# Altium PCB OTPCB.PcbDoc (part 3 of 3)
Units mm, origin at the board's own origin, x right, y up, seen from the top; angles counter-clockwise.
Board outline 201.69 x 98.36 mm, 4 copper layers (Top Layer, Layer 1, Layer 2, Bottom Layer), stack 1.546 mm thick; 269 components, 220 nets, 1102 pads, 262 vias.
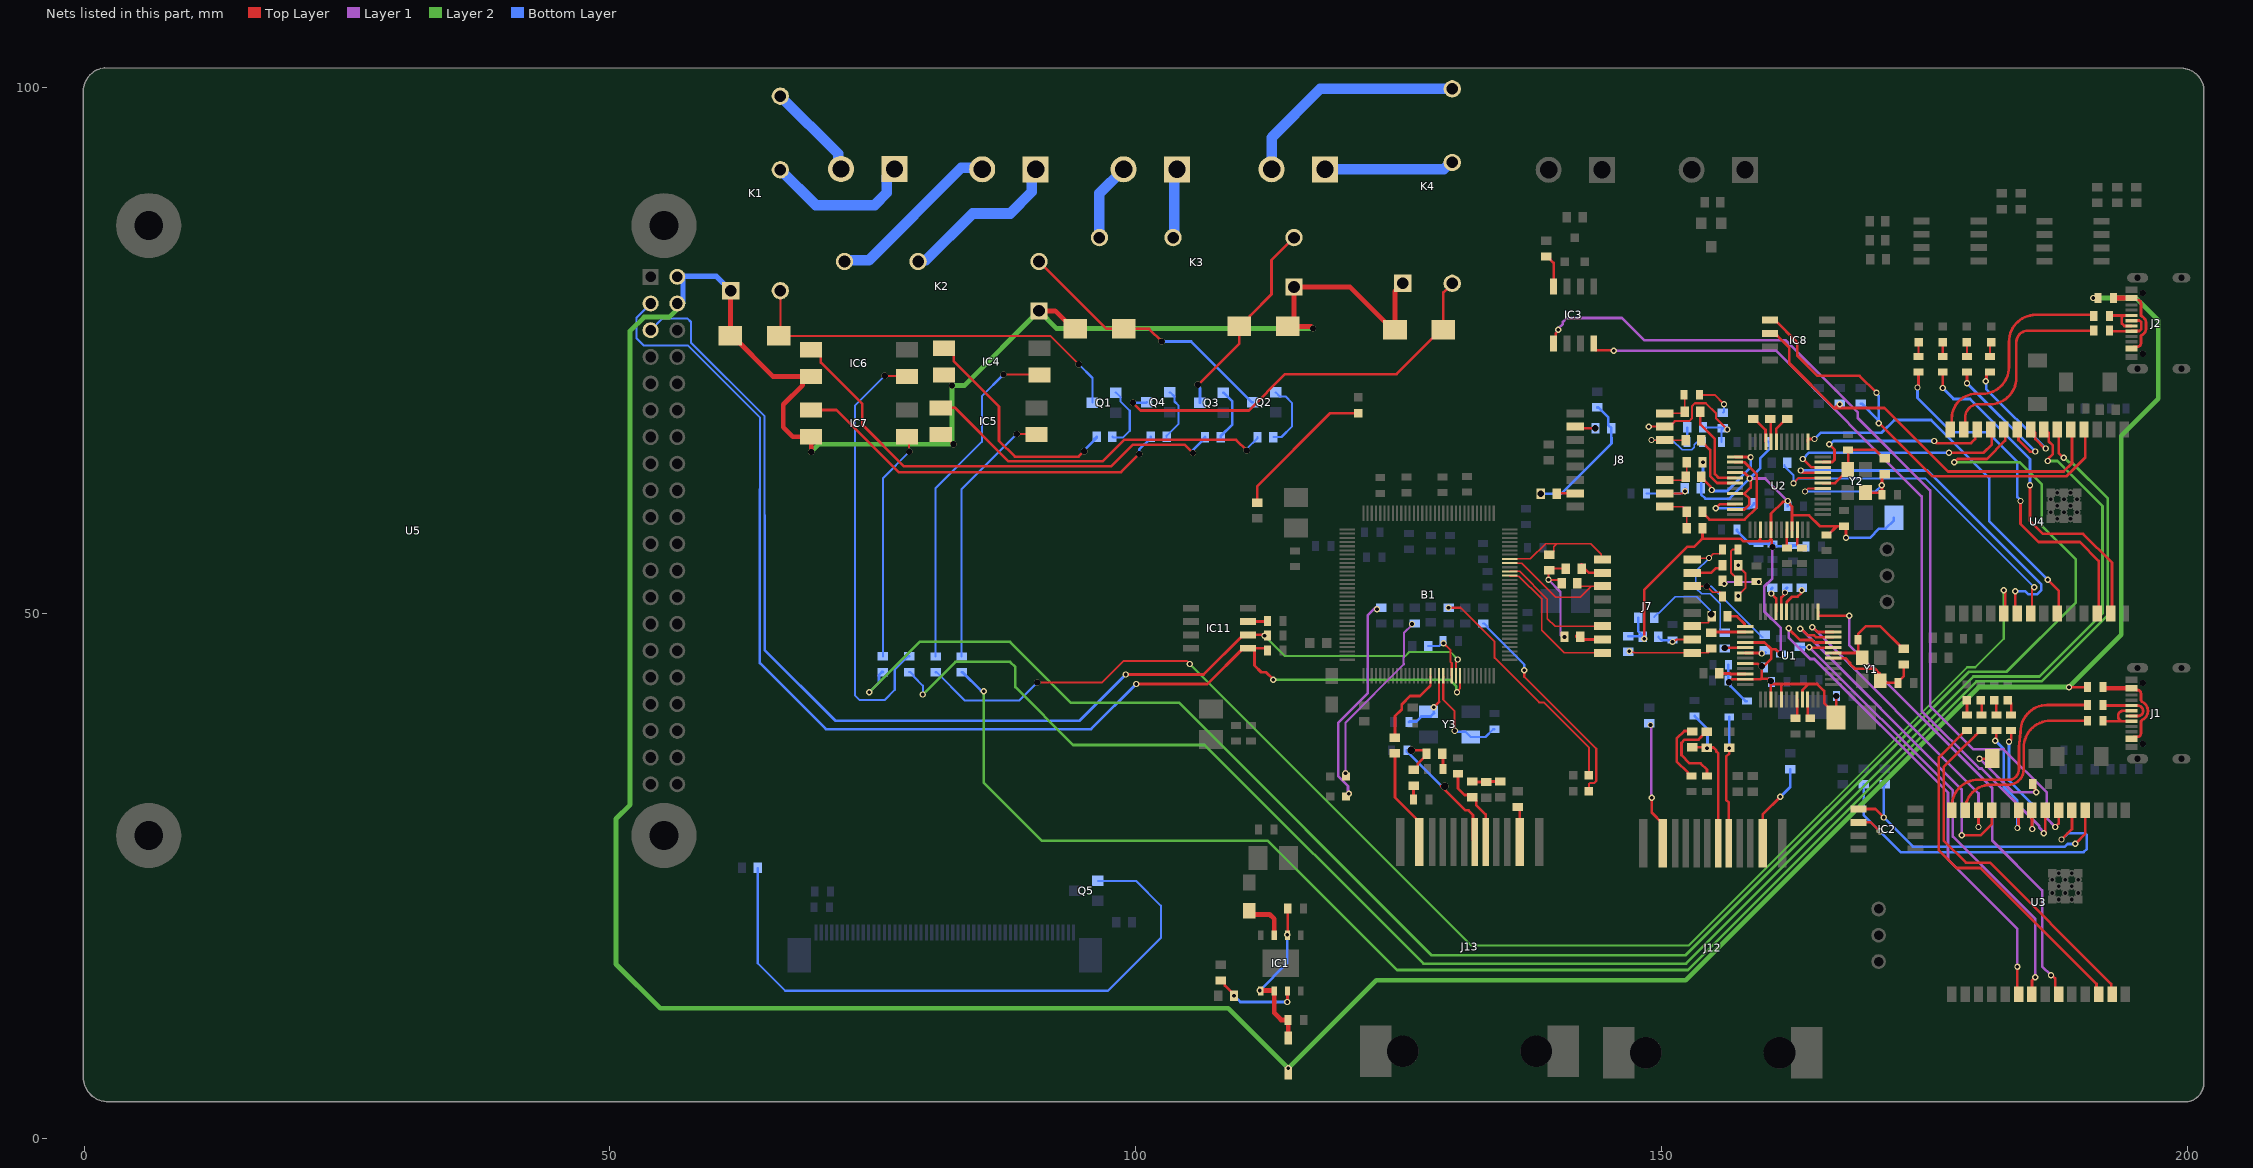
[diagram p5: the nets of this part, all layers, seen from the top]

## Via types
v1: diameter 0.6, hole 0.35, Top Layer to Bottom Layer, 191 vias
v2: diameter 0.6, hole 0.6, Top Layer to Bottom Layer, 62 vias
v3: diameter 0.711, hole 0.711, Top Layer to Bottom Layer, 6 vias
v4: diameter 0.6, hole 0.4, Top Layer to Bottom Layer, 3 vias

## Nets (pads, with @x,y where several pads share a name; then routed paths per layer and width w, separated by ;. In a path a pad name is that pad's centre, name@x,y a point inside that pad or via, vN(x,y) a via of type N, cw(c..) or ccw(c..) an arc to the next point about the centre after c; other vN are vias at no path point) (continued)
NetB1_81: B1.81 R68.2 | length 7.8
  Top Layer w0.2: 128.039,43.111 128.066,43.138 B1.81@128.066,44.028
  Top Layer w0.254: R68.2@124.666,38.166 124.666,40.204 125.325,40.862 125.325,41.337 126.113,42.125 127.05,42.125 127.889,42.964 127.902,42.964 128.039,43.102 128.039,43.111
NetB1_83: B1.83 C61.1 Y3.1 | length 6.4
  Top Layer w0.2: 128.866,41.566 B1.83@128.866,44.028
  Top Layer w0.254: v1(128.366,41.066) 128.866,41.566
  Bottom Layer w0.254: C61.1@126.005,39.65 126.056,39.701 126.706,39.701 127.173,40.168 128.068,40.168 Y3.1@128.394,40.494 ; Y3.1@128.346,40.541 128.366,40.561 v1(128.366,41.066)
NetB1_84: B1.84 C59.1 Y3.3 | length 10
  Top Layer w0.2: B1.84@129.266,44.028 129.266,41.77 130.35,40.687 v4(130.35,38.825)
  Bottom Layer w0.2: v4(130.35,38.825) 130.458,38.825 130.558,38.725 131.375,38.725 Y3.3@131.875,38.225 133.28,38.225 134.015,38.96 C59.1@134.15,38.96
NetB1_86: B1.86 C72.1 R108.2 | length 5
  Top Layer w0.2: v1(129.28,47.153) 129.966,46.466 129.966,45.347 130.066,45.247 B1.86@130.066,44.028
  Bottom Layer w0.2: R108.2@127.816,46.866 128.861,46.866 129.148,47.153 v1(129.28,47.153)
NetB1_87: B1.87 IC11.6 R94.1 U5.5 | length 113.8
  Top Layer w0.2: B1.87@130.466,44.028 130.466,45.281 130.641,45.456 v1(130.641,45.591)
  Top Layer w0.254: v1(99.066,44.166) 106.476,44.166 110.241,47.931 IC11.6@110.678,47.931 112.461,47.931 R94.1@112.526,47.866
  Layer 2 w0.2: v1(112.266,47.866) 114.216,45.916 125.654,45.916 126.058,46.32 129.913,46.32 v1(130.641,45.591)
  Bottom Layer w0.2: U5.5@53.877,76.91 55.007,78.04 57.363,78.04 57.716,77.686 57.716,75.731 64.72,68.727 64.72,59.32
  Bottom Layer w0.254: 64.72,59.32 64.72,46.512 71.466,39.766 94.666,39.766 v1(99.066,44.166)
NetB1_88: B1.88 IC11.5 R97.1 U5.3 | length 120.2
  Top Layer w0.2: v1(130.575,42.475) 130.575,42.583 130.866,42.874 B1.88@130.866,44.028
  Top Layer w0.254: v1(100.066,43.266) 106.846,43.266 110.241,46.661 IC11.5@110.678,46.661 IC11.5@111.116,46.661 ; R97.1@112.526,46.466 112.331,46.661 IC11.5@111.116,46.661 ; v1(113.1,43.675) 112.395,44.38 111.953,44.38 111.314,45.019 111.314,46.463 IC11.5@111.116,46.661
  Layer 2 w0.254: v1(113.1,43.675) 129.858,43.675 130.509,43.024 130.509,42.541 v1(130.575,42.475)
  Bottom Layer w0.2: U5.3@53.877,79.45 52.539,78.112 52.539,76.141 53.206,75.474 55.341,75.474 55.342,75.472 57.41,75.472 64.266,68.616 64.266,67.958 64.266,61.766
  Bottom Layer w0.254: 64.266,61.766 64.266,45.266 70.566,38.966 95.766,38.966 v1(100.066,43.266)
NetB1_117: B1.117 J7.16 | length 13.6
  Top Layer w0.133: B1.117@135.604,53.566 135.638,53.533 136.452,53.533 138.618,51.367 138.618,48.388 140.784,46.221 J7.16@144.401,46.221
NetB1_118: B1.118 J7.14 | length 12
  Top Layer w0.133: B1.118@135.604,53.966 136.541,53.966 139.166,51.341 139.166,49.491 139.896,48.761 J7.14@144.401,48.761
NetB1_120: B1.120 J7.11 R57.2 | length 12
  Top Layer w0.133: B1.120@135.604,54.766 136.716,54.766 139.966,51.516 142.291,51.516 143.346,52.571 ; R57.2@142.016,52.866 142.311,52.571 J7.11@144.401,52.571
NetB1_121: B1.121 J7.9 R58.1 | length 11.7
  Top Layer w0.133: B1.121@135.604,55.166 137.541,55.166 138.991,56.616 140.066,56.616 ; R58.1@139.341,55.566 139.441,55.566 139.775,55.9 139.775,56.325 140.066,56.616 ; J7.9@144.401,55.111 144.295,55.218 144.295,55.613 143.291,56.616 140.066,56.616
NetC1_2: C1.2 C2.2 D1.C IC1.1 IC1.2 IC1.6 | length 15.7
  Top Layer w0.254: IC1.6@114.461,19.464 114.461,21.904 C2.2@114.474,21.916
  Top Layer w0.454: v1(111.814,14.116) 113.151,14.116 113.179,14.088 IC1.2@113.179,14.066 113.179,11.976 113.839,11.316 C1.2@114.514,11.316 D1.C@114.514,9.596
  Bottom Layer w0.254: v1(111.814,14.116) 114.414,16.716 v1(114.414,19.416)
NetC4_2: C4.2 R12.1 U1.31 Y1.3 | length 10.4
  Top Layer w0.254: U1.31@166.346,46.216 168.666,46.216 Y1.3@168.726,46.156 ; Y1.3@169.116,45.766 Y1.3@168.726,46.156 ; R12.1@173.066,46.616 172.966,46.616 170.816,48.766 169.466,48.766 168.726,48.026 C4.2@168.726,47.466 Y1.3@168.726,46.156
NetC5_2: C5.2 R13.1 U2.31 Y2.3 | length 8.7
  Top Layer w0.254: U2.31@165.366,62.366 166.516,62.366 167.716,63.566 Y2.3@167.716,63.666 167.766,63.716 C5.2@167.766,65.526 170.356,65.526 171.166,64.716 R13.1@171.266,64.716
NetC7_1: C7.1 S2.2 | length 8.9
  Top Layer w0.254: v1(180.266,36.166) S2.2@181.466,36.166 ; C7.1@185.326,33.766 185.534,33.558 185.534,33.098 v1(185.666,32.966)
  Layer 1 w0.254: v1(180.266,36.166) 183.466,32.966 v1(185.666,32.966)
NetC8_2: C8.2 R12.2 U1.30 Y1.1 | length 9.6
  Top Layer w0.254: U1.30@166.346,45.716 167.507,45.716 167.944,45.28 167.944,45.176 168.399,44.721 170.311,44.721 170.766,44.266 170.766,43.616 Y1.1@170.816,43.566 171.016,43.366 C8.2@172.526,43.366 172.526,43.501 173.066,44.041 R12.2@173.066,45.116
NetC9_2: C9.2 R13.2 U2.30 Y2.1 | length 13.1
  Top Layer w0.2: v1(163.666,61.566) 163.966,61.866 U2.30@165.366,61.866
  Top Layer w0.254: Y2.1@169.416,61.466 170.786,61.466 C9.2@170.986,61.266 170.986,62.943 171.259,63.216 R13.2@171.266,63.216
  Bottom Layer w0.2: v1(163.666,61.566) 170.366,61.566 v1(170.966,62.166)
NetC12_1: C12.1 C13.1 C14.1 C15.1 C16.1 C17.1 C18.1 C19.1 C20.1 C21.1 C22.1 C23.1 C24.1 C25.1 C26.1 C34.1 F1.2 F2.2 R35.1 R36.1 R38.1 R39.1 R41.1 R42.1 U1.4 U1.8 U1.11 U1.15 U1.17 U1.21 U2.4 U2.8 U2.11 U2.15 U2.17 U2.21 | length 122.6
  Top Layer w0.254: v1(148.366,47.566) 148.366,52.214 152.456,56.304 153.104,56.304 153.866,57.066 ; R36.1@153.916,58.066 153.916,57.116 153.866,57.066 ; v2(156.441,43.441) 156.716,43.716 U1.11@157.986,43.716 159.421,43.716 159.471,43.766 ; U2.11@157.006,59.866 157.889,59.866 158.366,60.344 158.366,60.889 157.902,61.353 ; U2.8@157.006,61.366 157.902,61.366 ; U2.4@157.006,63.366 157.019,63.353 157.902,63.353 158.412,62.843 v1(158.412,62.805) 158.498,62.72 158.498,61.954 157.91,61.366 ; U1.8@157.986,45.216 157.999,45.203 159.129,45.203 v2@159.566,44.766 ; U1.4@157.986,47.216 159.816,47.216 160.466,46.566 ; U2.15@159.436,57.936 159.423,57.923 159.423,57.035 159.217,56.829 ; U1.15@160.416,41.786 v2@160.416,43.266 ; v2(160.566,56.291) 160.5,56.358 160.5,56.964 160.423,57.041 ; v2(161.366,46.101) 161.333,46.101 160.868,46.566 160.466,46.566 ; U1.17@161.416,41.786 161.416,43.116 161.566,43.266 ; v1(162.016,60.666) 161.941,60.591 161.566,60.591 160.436,59.461 U2.17@160.436,57.936 160.423,57.923 160.423,57.041 ; v1@162.032,60.65 162.032,60.554 162.436,60.15 162.436,59.296 ; U2.21@162.436,57.936 162.436,59.296 ; U1.21@163.416,41.786 163.429,41.799 163.429,42.682 164.014,43.266 ; C18.1@165.716,57.431 165.851,57.431 166.686,58.266 ; v2(166.651,42.116) 166.651,40.316 166.651,40.101 C34.1@166.616,40.066 166.616,40.316 165.484,41.449 165.484,42.601 164.819,43.266 164.014,43.266 ; v1(167.566,57.166) 167.566,58.066 F2.2@167.366,58.266 166.686,58.266 ; 153.866,57.066 157.574,57.066 157.811,56.829 159.217,56.829 ; 159.217,56.829 160.212,56.829 160.423,57.041 ; 159.471,43.766 159.566,43.861 v2@159.566,44.766 ; 159.471,43.766 159.566,43.766 160.266,43.766 160.416,43.616 v2@160.416,43.266 ; v2@159.566,44.766 160.466,45.666 160.466,46.566 ; v2@160.416,43.266 161.566,43.266 ; 161.566,43.266 164.014,43.266 ; 162.436,59.296 164.054,59.296 165.084,58.266 166.686,58.266
  Layer 1 w0.254: v1@148.366,47.446 v1(148.366,47.566) ; v1(158.412,62.805) 159.878,62.805 v1(162.016,60.666) ; v2(160.566,56.291) 160.566,53.309 159.789,52.532 159.789,50.152 161.366,48.575 v2(161.366,46.101)
  Bottom Layer w0.254: R35.1@146.866,47.816 R38.1@148.166,47.816 ; R41.1@147.816,49.566 147.816,48.266 148.216,47.866 R38.1@148.216,47.766 ; v1(153.966,64.366) 153.966,62.854 153.789,62.677 153.789,61.286 154.186,60.889 156.489,60.889 v1@158.405,62.805 ; C23.1@156.369,43.514 156.369,45.079 C24.1@156.381,45.091 ; v2(156.441,43.441) 156.564,43.318 156.564,43.073 158.006,41.631 C13.1@158.141,41.631 ; C22.1@157.206,57.941 157.206,57.806 158.381,56.631 C17.1@159.241,56.631 C16.1@160.133,56.631 ; v1(158.412,62.805) 159.419,63.812 159.419,64.745 160.341,65.666 160.341,66.131 C19.1@160.176,66.296 ; C16.1@160.319,56.445 C16.1@160.133,56.631 ; C16.1@160.632,56.358 162.442,56.358 C20.1@162.516,56.431 163.686,56.431 C21.1@163.776,56.341 ; C16.1@160.741,56.631 C16.1@160.133,56.631 ; v1(162.016,60.666) 162.016,60.176 F1.2@162.026,60.166 ; v1(167.566,57.166) 169.829,57.166 170.706,58.043 171.343,58.043 172.116,58.816 C12.1@172.116,59.066
  other v2: 160.401,43.541 159.551,44.941
NetC46_1: C46.1 U1.20 | length 1.8
  Top Layer w0.254: C46.1@162.766,40.006 162.916,40.156 U1.20@162.916,41.786
NetC47_1: C47.1 U2.20 | length 1.7
  Top Layer w0.254: U2.20@161.936,57.936 161.936,56.236 C47.1@161.966,56.206
NetC48_1: C48.1 U1.22 | length 1.9
  Top Layer w0.254: U1.22@163.916,41.786 163.916,40.214 164.124,40.006 C48.1@164.166,40.006
NetC49_1: C49.1 U2.22 | length 2
  Top Layer w0.254: U2.22@162.936,57.936 162.936,56.501 163.231,56.206 C49.1@163.366,56.206
NetC50_1: C50.1 J7.2 R38.2 | length 3.5
  Top Layer w0.2: v1(151.066,47.266) 151.202,47.266 151.427,47.491 J7.2@152.931,47.491
  Bottom Layer w0.2: R38.2@149.716,47.766 149.716,47.726 150.016,47.426 C50.1@151.066,47.426
NetC51_1: C51.1 J8.2 R39.2 | length 6.4
  Top Layer w0.2: J8.2@150.331,61.391 151.991,61.391 v1@152.366,61.766
  Bottom Layer w0.2: C51.1@148.606,61.366 151.847,61.366 R39.2@152.135,61.654 ; R39.2@152.185,61.654 R39.2@152.297,61.766 ; R39.2@152.241,61.766 R39.2@152.241,61.891 152.241,61.597 v1(152.247,61.591)
NetC52_1: C52.1 R46.2 | length 3.6
  Top Layer w0.2: C52.1@157.306,51.566 v1(157.306,51.634) 157.306,51.701 158.016,52.411 158.016,53.766 157.316,54.466 v1(157.316,54.566)
NetC52_2: C52.2 J7.6 R31.1 | length 11.3
  Top Layer w0.133: J7.6@152.931,52.571 v2@154.333,52.571 ; v2(154.316,52.566) 154.913,51.97 155.558,51.97 155.826,51.701 C52.2@155.826,51.566 155.826,51.431 C52.2@156.095,51.163
  Bottom Layer w0.133: v2(154.316,52.566) 154.741,52.566 159.591,47.716 R31.1@159.691,47.716
NetC53_1: C53.1 R48.2 | length 1.4
  Bottom Layer w0.2: C53.1@152.426,66.266 152.466,66.306 R48.2@152.466,67.666
NetC53_2: C53.2 J8.6 R32.1 | length 8.9
  Top Layer w0.133: v1(149.066,66.466) 150.326,66.466 J8.6@150.331,66.471 150.336,66.466 R32.1@152.316,66.466
  Bottom Layer w0.133: v1(149.066,66.466) 151.044,66.466 151.981,65.53 152.872,65.53 153.122,65.78 153.122,66.016 153.372,66.266 C53.2@153.906,66.266
NetC54_1: C54.1 R47.2 | length 3.9
  Top Layer w0.2: C54.1@157.306,56.066 156.783,56.066 156.616,55.899 156.616,53.866 157.316,53.166 R47.2@157.316,53.066
NetC54_2: C54.2 J7.8 R28.1 | length 12.7
  Top Layer w0.133: J7.8@152.931,55.111 153.061,55.241 v1(154.541,55.241) 154.963,55.663 155.558,55.663 155.826,55.931 C54.2@155.826,56.066
  Bottom Layer w0.133: v1(154.541,55.241) 153.291,53.991 153.291,52.366 153.825,51.833 154.671,51.833 155.608,50.896 155.608,48.475 155.941,48.141 R28.1@156.041,48.141
NetC55_1: C55.1 R49.2 | length 3.5
  Top Layer w0.2: C55.1@153.646,70.766 155.066,70.766 v1(155.966,69.866)
  Bottom Layer w0.2: R49.2@155.866,69.066 155.966,69.166 v1(155.966,69.866)
NetC55_2: C55.2 J8.8 R30.1 | length 3.6
  Top Layer w0.133: J8.8@150.331,69.011 152.061,69.011 R30.1@152.216,69.166 152.216,70.716 C55.2@152.166,70.766
NetC56_1: C56.1 J8.7 R48.1 R49.1 | length 14.2
  Top Layer w0.2: v1@148.766,67.766 v1(148.791,67.741) J8.7@150.331,67.741 150.776,67.741 151.266,68.231 151.266,68.266 152.641,68.266 152.916,68.542 152.916,69.691 153.192,69.966 154.241,69.966 155.206,69.001 155.206,68.527 v1(156.266,67.466)
  Bottom Layer w0.2: R48.1@153.966,67.666 155.866,67.666 156.066,67.666 v1(156.266,67.466) ; C56.1@155.726,66.266 155.726,67.426 R49.1@155.866,67.566
NetC57_1: C57.1 R47.1 | length 3.4
  Top Layer w0.254: C57.1@159.026,53.066 C57.1@159.066,53.026
  Layer 1 w0.2: v1(155.991,52.791) 156.127,52.791 156.302,52.966 v1(159.266,52.966)
NetC63_1: C63.1 R79.2 | length 6
  Top Layer w0.254: C63.1@152.866,34.506 152.731,34.506 152.523,34.714 152.523,34.849 151.462,35.91 151.462,38.062 152.186,38.786 152.896,38.786 R79.2@152.941,38.741
NetC64_1: C64.1 R80.2 | length 1.3
  Top Layer w0.254: C64.1@126.426,32.291 126.426,33.551 R80.2@126.466,33.591
NetC66_1: C66.1 R81.2 | length 7.6
  Top Layer w0.254: C66.1@154.341,34.531 154.341,35.116 153.741,35.716 152.691,35.716 151.916,36.491 151.916,37.666 152.218,37.968 153.531,37.968 153.768,38.206 153.768,38.243 154.241,38.716 R81.2@154.341,38.716
NetC67_1: C67.1 R82.2 | length 1.5
  Top Layer w0.254: R82.2@129.166,36.616 129.231,36.551 C67.1@129.231,35.191
NetC68_1: C68.1 J12.P6 R79.1 R81.1 | length 14.9
  Top Layer w0.254: R79.1@152.941,37.241 154.266,37.241 v1(154.341,37.166) ; R81.1@154.541,37.216 154.966,37.216 155.239,36.943 155.239,36.843 155.401,36.681 J12.P6@155.401,28.116
  Bottom Layer w0.254: C68.1@153.166,40.226 154.391,39.001 v1@154.391,36.996
NetC69_1: C69.1 J13.P6 R80.1 R82.1 | length 15.8
  Top Layer w0.254: v3(126.216,36.966) 127.393,36.966 127.666,36.693 R82.1@127.666,36.516 ; R80.1@126.466,35.091 126.566,35.091 126.839,35.364 126.839,35.689 R82.1@127.666,36.516 ; R82.1@127.666,36.616 R82.1@127.666,36.516 ; v3@129.041,33.559 131.359,31.241 131.666,31.241 132.098,30.809 132.098,28.419 J13.P6@132.276,28.241
  Bottom Layer w0.254: C69.1@125.806,36.966 125.806,36.831 129.121,33.516 v3(129.391,33.516)
NetC70_1: C70.1 J12.P5 R99.2 | length 12.3
  Top Layer w0.254: J12.P5@156.421,28.116 156.421,31.991 156.166,32.246 156.166,36.366 156.466,36.666 v1(156.466,37.166) R99.2@156.466,37.216
  Bottom Layer w0.254: v1(156.466,37.166) C70.1@156.466,40.126
NetC71_1: C71.1 J13.P5 R101.2 | length 7.9
  Top Layer w0.254: C71.1@130.666,34.726 130.666,33.336 131.298,32.704 131.803,32.704 R101.2@132.016,32.491 132.116,32.491 132.389,32.218 132.389,31.768 133.296,30.861 J13.P5@133.296,28.241
NetD3_2: D3.2 K1.2 Q1.3 | length 38.2
  Top Layer w0.2: K1.2@66.216,80.666 66.216,76.516 D3.2@66.066,76.366 91.903,76.366 v2(94.59,73.679)
  Bottom Layer w0.2: v2(94.59,73.679) 95.9,72.369 Q1.3@95.9,70.025
NetD4_2: D4.2 K2.2 Q2.3 | length 25.9
  Top Layer w0.254: K2.2@90.816,83.441 97.216,77.041 D4.2@98.866,77.041 101.299,77.041 v2(102.5,75.84)
  Bottom Layer w0.254: v2(102.5,75.84) 105.285,75.84 111.075,70.05 Q2.3@111.125,70.05
NetD5_2: D5.2 K3.2 Q3.3 | length 19.7
  Top Layer w0.254: v2(105.92,71.72) 109.866,75.666 D5.2@109.866,77.266 110.066,77.266 110.864,78.064 110.864,78.264 112.93,80.33 112.93,83.58 K3.2@115.066,85.716
  Bottom Layer w0.254: v2(105.92,71.72) 105.92,71.626 106.125,71.421 Q3.3@106.125,70.025
NetD6_2: D6.2 K4.2 Q4.3 | length 39.1
  Top Layer w0.254: v2(99.76,70) 100.48,69.28 110.77,69.28 114.214,72.724 124.824,72.724 129.066,76.966 D6.2@129.266,76.966 129.266,80.511 130.116,81.361 K4.2@130.116,81.366
  Bottom Layer w0.254: v2(99.76,70) 101,70 Q4.3@101.05,70.05
NetIC1_3: IC1.3 R4.2 R7.1 | length 8.3
  Top Layer w0.254: R4.2@108.114,15.066 108.214,15.066 108.487,14.793 108.487,14.593 R7.1@109.364,13.716 ; v1(114.414,13.016) 114.449,13.051 IC1.3@114.449,14.066
  Bottom Layer w0.254: v1(109.364,13.616) 109.964,13.016 v1(114.414,13.016)
NetIC1_7: IC1.7 L1.1 | length 4.3
  Top Layer w0.454: L1.1@110.814,21.691 111.164,21.341 112.039,21.341 ; 112.014,21.366 112.039,21.341 ; IC1.7@113.179,19.366 113.179,20.926 112.764,21.341 112.039,21.341
NetIC3_1: IC3.1 U3.6 | length 84.9
  Top Layer w0.254: IC3.1@139.761,75.654 139.959,75.852 139.959,76.597 140.187,76.825 v1(140.187,76.945) ; v1(187.466,29.666) 187.786,29.986 U3.6@187.786,31.261
  Layer 1 w0.254: v1(140.187,76.945) 140.187,77.066 140.633,77.512 140.633,77.706 140.993,78.066 146.266,78.066 148.366,75.966 161.824,75.966 168.695,69.095 168.695,68.538 175.566,61.666 175.566,41.166 179.686,37.046 182.544,37.046 186.664,32.926 186.664,30.469 v1(187.466,29.666)
NetIC3_4: IC3.4 U3.7 | length 76.7
  Top Layer w0.254: IC3.4@143.571,75.654 143.571,75.217 143.769,75.019 145.414,75.019 v1(145.466,74.966) ; v1(186.366,29.066) 186.516,29.216 U3.7@186.516,31.261
  Layer 1 w0.254: v1(145.466,74.966) 160.909,74.966 174.766,61.109 174.766,40.709 180.247,35.228 180.462,35.228 185.943,29.747 185.943,29.61 186.366,29.187 v1(186.366,29.066)
NetIC3_8: IC3.8 R14.1 | length 3.2
  Top Layer w0.254: R14.1@139.066,83.916 139.166,83.916 139.761,83.321 IC3.8@139.761,81.078
NetIC4_1: IC4.1 R24.1 | length 32.9
  Top Layer w0.2: v2(87.44,72.7) 90.83,72.7 IC4.1@90.875,72.655
  Bottom Layer w0.2: R24.1@80.98,45.88 80.98,61.9 85.38,66.3 85.38,70.64 v2(87.44,72.7)
NetIC4_3: IC4.3 R27.2 | length 22.3
  Top Layer w0.254: IC4.3@81.775,75.195 82.1,75.195 82.698,74.597 82.698,73.969 87.01,69.657 87.01,66.39 88.512,64.888 94.588,64.888 v2(95.11,65.41)
  Bottom Layer w0.254: v2(95.11,65.41) 95.11,65.485 96.3,66.675 R27.2@96.3,66.775 R27.2@96.07,66.545
NetIC5_1: IC5.1 R37.1 | length 25.2
  Top Layer w0.2: v2(88.69,67.04) 90.515,67.04 IC5.1@90.575,66.98
  Bottom Layer w0.2: R37.1@83.46,45.88 83.46,61.81 v2(88.69,67.04)
NetIC5_3: IC5.3 R40.2 | length 34.2
  Top Layer w0.254: IC5.3@81.475,69.52 82.85,69.52 87.936,64.434 96.874,64.434 98.92,66.48 109.57,66.48 v2(110.58,65.47)
  Bottom Layer w0.2: v2(110.58,65.47) 110.58,65.63 111.6,66.65 R40.2@111.6,66.75
NetIC6_1: IC6.1 R56.1 | length 41.9
  Top Layer w0.2: v2(76.16,72.57) 78.185,72.57 IC6.1@78.25,72.505
  Bottom Layer w0.2: v2(76.16,72.57) 73.31,69.72 73.31,42.19 73.77,41.73 76.12,41.73 77.097,42.707 77.097,44.623 78.375,45.9 R56.1@78.475,45.9
NetIC6_3: IC6.3 R59.2 | length 45.8
  Top Layer w0.254: IC6.3@69.15,75.045 69.475,75.045 70.073,74.447 70.073,73.819 74.012,69.881 74.012,67.918 77.95,63.98 97.694,63.98 99.74,66.026 104.664,66.026 v2(105.46,65.23)
  Bottom Layer w0.254: v2(105.46,65.23) 105.46,65.51 106.6,66.65 R59.2@106.6,66.75 R59.2@106.47,66.62
NetIC7_1: IC7.1 R64.1 | length 22
  Top Layer w0.2: IC7.1@78.25,66.78 78.47,66.56 v2(78.47,65.34)
  Bottom Layer w0.2: R64.1@75.975,45.9 75.975,62.845 v2(78.47,65.34)
NetIC7_3: IC7.3 R65.2 | length 36.5
  Top Layer w0.254: IC7.3@69.15,69.32 71.56,69.32 77.47,63.41 98.62,63.41 v2(100.34,65.13)
  Bottom Layer w0.254: v2(100.34,65.13) 100.34,65.565 101.45,66.675 R65.2@101.45,66.775
NetIC11_7: IC11.7 R91.1 | length 1.9
  Top Layer w0.254: IC11.7@110.678,49.201 112.461,49.201 R91.1@112.526,49.266
NetJ1_A4_B9: J1.A4_B9 J1.B4_A9 W1.2 | length 9.3
  Top Layer w0.254: J1.A4_B9@194.716,38.066 194.956,38.239 195.286,38.239 ccw(c195.286,38.566) 195.613,38.566 195.613,38.866 195.613,39.631 cw(c195.867,39.631) 195.755,39.858 ccw(c195.341,40.7) 196.279,40.7 ccw(c195.309,40.7) 195.75,41.564 cw(c195.867,41.79) 195.613,41.788 195.613,42.366 ccw(c195.286,42.366) 195.286,42.693 195.159,42.693 J1.B4_A9@194.716,42.866
  Top Layer w0.454: W1.2@192.006,42.966 ccw(c192.106,42.966) 192.106,42.866 J1.B4_A9@194.716,42.866
NetJ1_A6: J1.A6 J1.B6 R1.2 | length 5.7
  Top Layer w0.254: R1.2@192.006,41.266 192.056,41.216 194.516,41.216 195.309,41.216 cw(c195.309,40.7) 195.825,40.7 cw(c195.341,40.7) 195.341,40.216 J1.A6@194.516,40.216
NetJ1_A7: J1.A7 J1.B7 R2.2 | length 4.8
  Top Layer w0.254: R2.2@192.006,39.766 192.056,39.716 193.866,39.716 ; J1.A7@194.516,40.716 193.916,40.716 ccw(c193.916,40.266) 193.466,40.266 193.466,40.116 ccw(c193.866,40.116) 193.866,39.716 ; J1.B7@194.716,39.716 193.866,39.716
NetJ2_A4_B9: J2.A4_B9 J2.B4_A9 W2.2 | length 8.2
  Top Layer w0.254: J2.A4_B9@194.716,75.166 194.956,75.339 195.286,75.339 ccw(c195.286,75.666) 195.613,75.666 195.613,75.966 ccw(c195.286,75.966) 195.613,75.968 195.613,76.116 195.613,76.404 ccw(c195.485,76.839) 195.807,76.519 195.954,76.667 ccw(c195.634,76.988) 196.088,76.988 196.088,77.691 ccw(c195.634,77.691) 195.954,78.012 195.807,78.16 ccw(c195.485,77.839) 195.613,78.275 195.613,79.466 ccw(c195.286,79.466) 195.286,79.793 195.159,79.793 J2.B4_A9@194.716,79.966
  Top Layer w0.454: W2.2@193.006,79.966 J2.B4_A9@194.716,79.966
NetJ2_A6: J2.A6 J2.B6 R5.2 | length 4.7
  Top Layer w0.254: R5.2@192.606,78.266 192.656,78.316 J2.B6@194.716,78.316 194.693,78.293 193.947,78.293 193.798,78.145 193.798,77.552 194.034,77.316 J2.A6@194.716,77.316
NetJ2_A7: J2.A7 J2.B7 R6.2 | length 4.8
  Top Layer w0.254: R6.2@192.606,76.866 192.656,76.816 J2.B7@194.716,76.816 194.739,76.839 195.485,76.839 195.634,76.988 195.634,77.691 195.485,77.839 J2.A7@194.766,77.839
NetJ5_1: J5.1 K1.3 | length 14.6
  Bottom Layer w1: K1.3@66.216,92.166 69.566,88.816 75.18,88.816 76.334,89.97 76.334,91.504 J5.1@77.071,92.241
NetJ5_2: J5.2 K1.4 | length 9.3
  Bottom Layer w1: K1.4@66.216,99.166 71.709,93.674 71.709,92.524 J5.2@71.991,92.241
NetJ6_1: J6.1 K2.3 | length 15.9
  Bottom Layer w1: K2.3@79.316,83.441 79.441,83.566 80.056,83.566 84.5,88.01 88.09,88.01 90.145,90.065 90.145,91.865 J6.1@90.496,92.216
NetJ6_2: J6.2 K2.4 | length 16.8
  Bottom Layer w1: K2.4@72.316,83.441 72.416,83.541 74.641,83.541 83.441,92.341 85.291,92.341 J6.2@85.416,92.216
NetJ7_1: J7.1 R20.1 R35.2 | length 7.8
  Top Layer w0.133: v1(146.966,46.366) 147.066,46.266 147.366,46.266 147.411,46.221 J7.1@152.931,46.221 154.471,46.221 R20.1@154.666,46.416
NetJ7_3: J7.3 R16.1 R41.2 | length 9.6
  Top Layer w0.133: J7.3@152.931,48.761 153.245,49.075 154.45,49.075 154.516,49.141 154.516,49.416 R16.1@154.791,49.691
  Bottom Layer w0.133: R41.2@149.316,49.566 149.316,49.666 149.65,50 149.75,50 151.316,51.566 153.366,51.566 154.675,50.258 154.675,49.958 v2(154.741,49.891)
NetJ7_7: J7.7 R46.1 | length 3.2
  Top Layer w0.254: J7.7@152.931,53.841 154.741,53.841 155.166,54.266 155.543,54.266 155.816,54.539 R46.1@155.816,54.566
NetJ7_10: J7.10 R53.2 | length 2.4
  Top Layer w0.254: R53.2@142.416,54.666 142.416,54.566 143.141,53.841 J7.10@144.401,53.841
NetJ7_15: J7.15 R54.2 | length 2.7
  Top Layer w0.254: R54.2@141.916,47.866 141.916,47.766 142.191,47.491 J7.15@144.401,47.491
NetJ8_1: J8.1 R22.1 R36.2 | length 3.9
  Top Layer w0.133: J8.1@150.331,60.121 152.061,60.121 152.416,59.766 R22.1@152.416,59.666 R36.2@152.416,58.066
NetJ8_3: J8.3 R17.1 R42.2 | length 3.6
  Top Layer w0.133: J8.3@150.331,62.661 152.111,62.661 152.416,62.966 R42.2@152.416,64.366
NetJ8_10: J8.10 R51.2 | length 2
  Top Layer w0.254: J8.10@141.801,67.741 141.951,67.591 v2(143.716,67.591)
NetJ8_15: J8.15 R52.2 | length 1.9
  Top Layer w0.254: R52.2@140.041,61.266 R52.2@140.041,61.366 140.066,61.391 J8.15@141.801,61.391
NetJ9_1: J9.1 K3.3 | length 6.7
  Bottom Layer w1: K3.3@103.566,85.716 103.691,85.841 103.691,91.961 J9.1@103.946,92.216
NetJ9_2: J9.2 K3.4 | length 7.5
  Bottom Layer w1: K3.4@96.566,85.716 96.566,89.916 J9.2@98.866,92.216
NetJ10_1: J10.1 K4.3 | length 12.4
  Bottom Layer w1: J10.1@118.016,92.216 129.29,92.216 129.94,92.866 K4.3@130.116,92.866
NetJ10_2: J10.2 K4.4 | length 22.1
  Bottom Layer w1: J10.2@112.936,92.216 112.936,95.236 117.566,99.866 K4.4@130.116,99.866
NetJ12_P2: J12.P2 R75.1 | length 8.1
  Top Layer w0.254: J12.P2@159.661,28.116 159.661,30.886 v1(161.316,32.541)
  Bottom Layer w0.254: v1(161.316,32.541) 162.266,33.491 R75.1@162.266,35.166
NetJ12_P11: J12.P11 R76.1 | length 11.9
  Top Layer w0.254: v1(149.091,32.441) 149.091,31.041 150.121,30.011 J12.P11@150.121,28.116
  Layer 1 w0.254: v1(148.966,39.366) 149.029,39.304 149.029,32.504 v1(149.091,32.441)
  Bottom Layer w0.254: R76.1@148.866,39.516 148.966,39.416 v1(148.966,39.366)
NetJ13_P2: J13.P2 R66.1 | length 3.2
  Top Layer w0.254: J13.P2@136.536,28.241 R66.1@136.536,31.421
NetJ13_P11: J13.P11 R68.1 | length 9.4
  Top Layer w0.254: R68.1@124.666,36.666 124.666,32.466 126.996,30.136 J13.P11@126.996,28.241
NetLED1_2: LED1.2 R3.2 | length 14
  Top Layer w0.254: R3.2@111.566,60.516 111.566,62.066 118.516,69.016 LED1.2@121.166,69.016
NetLED2_2: LED2.2 R44.2 | length 1.5
  Top Layer w0.254: LED2.2@182.966,41.716 183.266,41.416 R44.2@183.266,40.306
NetLED3_2: LED3.2 R50.2 | length 1.5
  Top Layer w0.254: LED3.2@181.666,41.716 181.866,41.516 R50.2@181.866,40.306
NetLED4_2: LED4.2 R55.2 | length 1.5
  Top Layer w0.254: LED4.2@180.366,41.716 180.466,41.616 R55.2@180.466,40.306
NetLED5_2: LED5.2 R60.2 | length 1.4
  Top Layer w0.254: R60.2@179.066,40.306 LED5.2@179.066,41.716
NetLED6_1: LED6.1 R71.1 | length 22.4
  Top Layer w0.2: v1(129.766,50.516) 130.916,50.516 134.148,47.285 134.148,45.761 138.392,41.516 138.835,41.516 143.116,37.236 LED6.1@143.116,34.566
NetLED7_1: LED7.1 R72.1 | length 16.8
  Layer 1 w0.2: v1(119.966,34.766) 119.966,39.586 125.516,45.136 125.516,45.197 125.495,45.219 125.495,45.757 125.516,45.779 125.516,48.116 126.298,48.898 v1(126.298,48.966)
NetLED8_1: LED8.1 R77.1 | length 20.2
  Top Layer w0.254: LED8.1@120.016,32.566 v1(120.289,32.839) 120.439,32.839 v1@120.466,32.866
  Layer 1 w0.254: v1(120.289,32.839) 120.205,32.924 120.205,33.57 119.289,34.486 119.289,39.589 122.077,42.377 122.077,49.777 v1@122.866,50.566
  other v1: 122.966,50.366
NetLED9_1: LED9.1 R74.1 | length 20.7
  Top Layer w0.2: 136.966,44.266 136.966,43.951 143.816,37.101 143.816,34.042 143.641,33.866 143.233,33.866 143.116,33.749 LED9.1@143.116,33.066
  Bottom Layer w0.2: R74.1@133.066,49.016 133.166,49.016 133.466,48.716 133.466,48.616 136.966,45.116 v1(136.966,44.566)
NetLED10_2: LED10.2 R106.2 | length 1.4
  Top Layer w0.2: R106.2@181.266,74.406 181.266,75.666 LED10.2@181.366,75.766
NetLED11_2: LED11.2 R110.2 | length 1.4
  Top Layer w0.2: R110.2@179.066,74.406 LED11.2@179.066,75.766
NetLED12_2: LED12.2 R111.2 | length 1.4
  Top Layer w0.2: R111.2@176.766,74.406 LED12.2@176.766,75.766
NetLED13_2: LED13.2 R112.2 | length 1.4
  Top Layer w0.2: R112.2@174.466,74.406 LED13.2@174.466,75.766
NetQ1_1: Q1.1 R27.1 | length 6.1
  Bottom Layer w0.2: R27.1@97.8,66.775 97.855,66.72 98.82,66.72 99.45,67.35 99.45,69.25 98.55,70.15 98.55,70.575 98.15,70.975 Q1.1@98.1,70.975
NetQ2_1: Q2.1 R40.1 | length 6.4
  Bottom Layer w0.2: R40.1@113.1,66.75 113.88,66.75 114.89,67.76 114.89,69.98 114.27,70.6 113.725,70.6 Q2.1@113.325,71
NetQ3_1: Q3.1 R59.1 | length 5.1
  Bottom Layer w0.254: R59.1@108.1,66.75 108.1,66.85 109.202,67.952 109.202,70.148 108.375,70.975 Q3.1@108.325,70.975
NetQ4_1: Q4.1 R65.1 | length 5.1
  Bottom Layer w0.2: R65.1@102.95,66.775 102.95,66.875 104.1,68.025 104.1,69.724 103.7,70.124 103.7,70.6 103.3,71 Q4.1@103.25,71
NetQ5_1: Q5.1 R104.1 | length 60.6
  Bottom Layer w0.2: R104.1@64.07,25.77 64.07,16.7 66.68,14.09 97.38,14.09 102.4,19.11 102.4,22.18 100.04,24.54 Q5.1@96.42,24.54
NetR1_1: R1.1 U3.14 | length 20.2
  Top Layer w0.254: U3.14@177.626,31.261 177.626,31.626 cw(c180.166,31.626) 180.166,34.166 183.233,34.166 ccw(c183.232,34.42) 183.316,34.181 ccw(c182.966,35.166) 183.959,34.836 ccw(c182.966,35.166) 184.012,35.166 184.012,37.226 cw(c187.006,37.226) 184.033,37.576 184.165,38.697 ccw(c183.912,38.726) 184.166,38.726 cw(c186.706,38.726) 186.706,41.266 R1.1@190.526,41.266
NetR2_1: R2.1 U3.13 | length 17.4
  Top Layer w0.254: U3.13@178.896,31.261 cw(c181.301,31.261) 181.301,33.666 182.966,33.666 ccw(c182.966,35.166) 184.466,35.166 184.466,37.226 cw(c187.006,37.226) 187.006,39.766 R2.1@190.526,39.766
NetR5_1: R5.1 U4.14 | length 21.3
  Top Layer w0.254: U4.14@177.626,67.461 177.626,68.526 cw(c179.966,68.526) 179.966,70.866 180.526,70.866 ccw(c180.526,73.406) 183.066,73.406 183.066,75.826 cw(c185.606,75.826) 185.606,78.366 191.026,78.366 cw(c191.026,78.266) R5.1@191.126,78.266
NetR6_1: R6.1 U4.13 | length 19.5
  Top Layer w0.254: U4.13@178.896,67.461 178.896,68.596 cw(c180.166,68.596) 180.166,69.866 181.226,69.866 ccw(c181.226,72.406) 183.766,72.406 183.766,75.766 cw(c184.866,75.766) 184.866,76.866 R6.1@191.126,76.866
NetR15_1: R15.1 U1.32 U3.21 | length 45.3
  Top Layer w0.254: v1(164.066,46.766) 164.116,46.716 U1.32@166.346,46.716 ; U3.21@185.246,13.761 185.246,15.046 v1(185.566,15.366)
  Layer 1 w0.254: v1(164.066,46.766) 177.72,33.112 177.72,28.755 185.566,20.909 v1(185.566,15.366)
  Bottom Layer w0.254: R15.1@163.166,46.816 163.216,46.766 v1(164.066,46.766)
NetR16_2: R16.2 U1.1 | length 2.4
  Top Layer w0.2: R16.2@156.291,49.691 R16.2@156.291,49.791
  Top Layer w0.254: R16.2@156.291,49.691 157.216,49.691 157.916,48.991 157.916,48.729 157.929,48.716 U1.1@157.986,48.716
NetR17_2: R17.2 U2.1 | length 8.7
  Top Layer w0.254: R17.2@153.816,62.991 154.089,62.718 154.089,62.618 154.706,62.002 154.706,61.802 v1(154.791,61.716) ; U2.1@157.006,64.866 157.019,64.853 158.454,64.853 v1(158.491,64.816)
  Bottom Layer w0.254: v1@154.891,61.691 154.962,61.621 156.271,61.621 158.491,63.841 v1(158.491,64.816)
NetR18_1: R18.1 U1.45 | length 2.5
  Top Layer w0.254: v1(160.466,51.866) 160.916,51.416 U1.45@160.916,50.146
  Bottom Layer w0.254: v1(160.466,51.866) 160.466,52.316 R18.1@160.566,52.416
NetR19_1: R19.1 U2.32 U4.21 | length 35
  Top Layer w0.2: v1(162.566,62.366) 163.066,62.866 U2.32@165.366,62.866 ; U4.21@185.246,49.961 185.246,52.246 v1(185.466,52.466)
  Bottom Layer w0.2: R19.1@161.716,64.066 161.716,63.966 162.566,63.116 v1(162.566,62.366) 162.585,62.366 163.035,62.816 175.116,62.816 v1(185.466,52.466)
NetR20_2: R20.2 U1.2 | length 3.3
  Top Layer w0.254: R20.2@154.741,48.141 154.816,48.216 U1.2@157.986,48.216
NetR21_1: R21.1 U2.45 | length 2.7
  Top Layer w0.254: R21.1@158.766,68.466 158.866,68.466 159.903,67.429 159.903,66.359 U2.45@159.916,66.346
NetR22_2: R22.2 U2.2 | length 11.7
  Top Layer w0.254: R22.2@153.916,59.666 153.916,59.566 154.583,58.899 157.922,58.899 159.089,60.067 159.089,63.166 157.902,64.353 157.019,64.353 U2.2@157.006,64.366
NetR23_1: R23.1 U1.44 | length 2.5
  Top Layer w0.254: U1.44@161.416,50.146 161.416,51.496 161.766,51.846 v1(161.766,51.966)
  Bottom Layer w0.254: v1(161.766,51.966) 161.766,52.216 R23.1@161.966,52.416
NetR24_2: R24.2 U4.19 | length 134.3
  Top Layer w0.2: v2@90.766,43.416 96.816,43.416 98.866,45.466 104.866,45.466 v1(105.166,45.166)
  Top Layer w0.254: v1(182.566,52.166) 182.706,52.026 U4.19@182.706,49.961
  Layer 2 w0.2: v1(105.166,45.166) 131.941,18.391 152.616,18.391 179.08,44.855 179.855,44.855 182.566,47.566 v1(182.566,52.166)
  Bottom Layer w0.2: R24.2@80.98,44.38 81.08,44.38 83.76,41.7 88.93,41.7 v2(90.64,43.41)
NetR25_1: R25.1 U2.44 | length 2.1
  Top Layer w0.254: R25.1@160.366,68.466 160.416,68.416 U2.44@160.416,66.346
NetR26_1: R26.1 U1.43 | length 2.8
  Top Layer w0.254: U1.43@161.916,50.146 161.929,50.159 161.929,51.042 162.454,51.566 162.966,51.566 163.266,51.866
  Bottom Layer w0.254: v1(163.366,52.166) R26.1@163.366,52.416
NetR28_2: R28.2 U1.5 | length 2
  Top Layer w0.254: v2(156.041,46.691) 156.054,46.704 157.974,46.704 U1.5@157.986,46.716
NetR29_1: R29.1 U2.43 | length 2.6
  Top Layer w0.254: U2.43@160.916,66.346 160.916,67.516 161.866,68.466 R29.1@161.966,68.466
NetR30_2: R30.2 U2.5 | length 8.6
  Top Layer w0.254: R30.2@153.716,69.166 153.716,67.929 155.097,66.548 155.097,63.235 155.453,62.879 156.993,62.879 U2.5@157.006,62.866
NetR31_2: R31.2 U1.6 | length 2
  Top Layer w0.254: U1.6@157.986,46.216 159.516,46.216 v1(159.566,46.166)
  Bottom Layer w0.254: v1(159.566,46.166) 159.816,46.166 R31.2@159.916,46.266
NetR32_2: R32.2 U2.6 | length 6.4
  Top Layer w0.254: R32.2@153.816,66.466 153.816,66.366 154.643,65.539 154.643,63.047 155.311,62.379 156.993,62.379 U2.6@157.006,62.366
NetR33_1: R33.1 U1.10 | length 2.5
  Top Layer w0.254: R33.1@155.516,44.266 156.543,44.266 156.593,44.216 U1.10@157.986,44.216
NetR34_1: R34.1 U2.10 | length 5.9
  Top Layer w0.254: v1(155.166,59.966) 155.566,60.366 U2.10@157.006,60.366
  Bottom Layer w0.254: v1(155.166,59.966) 158.316,59.966 158.443,60.093 158.543,60.093 158.816,60.366 R34.1@158.816,60.466
NetR37_2: R37.2 U4.6 | length 159.6
  Top Layer w0.254: U4.6@187.786,67.461 187.786,65.25 v1(188.268,64.768)
  Layer 2 w0.254: v1(85.566,42.566) 85.566,33.866 91.066,28.366 112.566,28.366 124.866,16.066 152.523,16.066 179.977,43.52 186.162,43.52 192.466,49.824 192.466,60.884 188.996,64.354 188.777,64.354 188.362,64.768 v1(188.268,64.768)
  Bottom Layer w0.254: R37.2@83.46,44.38 83.56,44.38 85.307,42.633 85.5,42.633 v1(85.566,42.566)
NetR44_1: R44.1 U3.8 | length 12.2
  Top Layer w0.254: v1(183.066,37.766) 183.266,37.966 R44.1@183.266,38.826 ; U3.8@185.246,31.261 185.246,29.486 v1(185.266,29.466)
  Bottom Layer w0.254: v1(183.066,37.766) 183.066,34.066 185.266,31.866 v1(185.266,29.466)
NetR50_1: R50.1 U3.9 | length 11.9
  Top Layer w0.254: v1(181.766,37.866) 181.866,37.966 R50.1@181.866,38.826 ; v1(183.866,29.566) 183.976,29.676 U3.9@183.976,31.261
  Bottom Layer w0.254: v1(181.766,37.866) 182.566,37.066 182.566,33.466 183.866,32.166 v1(183.866,29.566)
NetR51_1: R51.1 R52.1 R62.2 | length 12.7
  Bottom Layer w0.254: v2(138.541,61.366) 140.491,61.366 145.261,66.136 145.261,66.667 145.241,66.687 R51.1@145.241,67.591 144.968,67.864 144.968,68.614 144.016,69.566 R62.2@143.916,69.566
NetR53_1: R53.1 R54.1 R57.1 R58.2 | length 9.6
  Top Layer w0.2: R58.2@139.266,54.141 v1(139.266,53.166) 140.216,53.166 R57.1@140.516,52.866 ; R58.2@139.418,54.241 R53.1@140.916,54.241
  Layer 1 w0.2: v1(139.266,53.166) 140.416,52.016 140.416,47.866
  other v1: 140.791,47.741
NetR55_1: R55.1 U3.27 | length 34.6
  Top Layer w0.254: R55.1@180.466,38.826 180.331,38.826 179.863,38.358 179.863,38.356 178.474,36.966 178.466,36.966 176.849,35.349 176.849,28.383 178.966,26.266 181.259,26.266 192.781,14.744 192.781,13.846 U3.27@192.866,13.761
NetR56_2: R56.2 U4.7 | length 163.3
  Top Layer w0.254: U4.7@186.516,67.461 186.839,67.138 186.839,66.351 187.243,65.947 187.243,65.143 186.866,64.766
  Layer 2 w0.254: v1(79.766,42.266) 82.866,45.366 88.066,45.366 88.566,44.866 88.566,42.966 94.066,37.466 106.566,37.466 127.366,16.666 152.366,16.666 179.674,43.974 185.974,43.974 191.966,49.966 191.966,60.184 187.684,64.466 v1(186.766,64.466)
  Bottom Layer w0.2: R56.2@78.475,44.4 78.575,44.4 78.875,44.1 78.875,44 79.766,43.109 v1(79.766,42.266)
NetR60_1: R60.1 U3.26 | length 33.9
  Top Layer w0.254: R60.1@179.066,38.826 178.931,38.826 176.395,36.29 176.395,27.437 178.066,25.766 180.366,25.766 191.389,14.744 191.389,13.969 U3.26@191.596,13.761
NetR64_2: R64.2 U4.10 | length 174
  Top Layer w0.254: v1(177.866,64.366) 178.166,64.666 180.966,64.666 182.706,66.406 U4.10@182.706,67.461
  Layer 2 w0.254: v1(74.666,42.466) 79.466,47.266 88.066,47.266 93.866,41.466 104.166,41.466 128.166,17.466 152.316,17.466 179.278,44.428 182.828,44.428 189.425,51.025 189.425,55.108 186.175,58.358 186.175,62.275 184.084,64.366 v1(177.866,64.366)
  Bottom Layer w0.254: v1(74.666,42.466) 75.602,43.402 75.602,44.127 75.875,44.4 R64.2@75.975,44.4
NetR96_1: R96.1 R100.2 R101.1 | length 2.7
  Top Layer w0.254: R101.1@132.016,33.991 132.066,33.941 R96.1@133.341,33.941 133.391,33.991 R100.2@134.691,33.991
NetR106_1: R106.1 U4.8 | length 12.3
  Top Layer w0.254: v1(180.866,72.066) 180.923,72.123 180.923,72.718 181.131,72.926 R106.1@181.266,72.926 ; U4.8@185.246,67.461 185.569,67.138 185.569,66.563 186.466,65.666 v1(186.566,65.666)
  Bottom Layer w0.254: v1(180.866,72.066) 180.897,72.035 180.897,71.335 v1(186.566,65.666)
NetR110_1: R110.1 U4.9 | length 13.4
  Top Layer w0.254: v1(179.066,71.866) R110.1@179.066,72.926 ; U4.9@183.976,67.461 183.976,66.456 185.066,65.366 v1(185.566,65.366)
  Bottom Layer w0.254: v1(179.066,71.866) v1(185.566,65.366) v1@185.666,65.366
NetR111_1: R111.1 U4.27 | length 32.8
  Top Layer w0.254: v1(176.766,71.406) R111.1@176.766,72.926 ; v1(185.066,62.166) 185.066,58.784 186.3,57.55 190.125,57.55 192.866,54.809 U4.27@192.866,49.961
  Bottom Layer w0.254: v1(176.766,71.406) 177.766,70.406 177.766,70.366 179.366,70.366 185.066,64.666 v1(185.066,62.166)
NetR112_1: R112.1 U4.26 | length 34.4
  Top Layer w0.254: v1(174.366,71.466) 174.466,71.566 R112.1@174.466,72.926 ; v1(184.166,60.666) 184.166,58.484 185.875,56.775 189.804,56.775 191.596,54.982 U4.26@191.596,49.961
  Bottom Layer w0.254: v1(174.366,71.466) 174.366,70.466 177.616,67.216 181.016,67.216 183.866,64.366 183.866,61.038 184.166,60.738 v1(184.166,60.666)
NetU1_33: U1.33 U3.20 | length 49
  Top Layer w0.254: v1(162.116,48.566) 162.116,48.516 163.189,47.443 164.347,47.443 164.574,47.216 U1.33@166.346,47.216 ; v1(183.866,16.366) 183.866,13.871 U3.20@183.976,13.761
  Layer 1 w0.254: v1(162.116,48.566) 162.116,47.692 164.165,45.643 164.547,45.643 177.266,32.924 177.266,26.566 183.866,19.966 v1(183.866,16.366) v1@183.866,16.266
NetU1_34: U1.34 U3.11 | length 33.8
  Top Layer w0.254: v1@163.466,48.366 163.935,47.897 164.535,47.897 164.716,47.716 U1.34@166.346,47.716 ; v1(178.566,28.866) 180.366,28.866 181.436,29.936 U3.11@181.436,31.261
  Layer 1 w0.254: v1(163.216,48.516) 163.274,48.516 178.566,33.224 v1(178.566,28.866)
NetU1_35: U1.35 U3.12 | length 29
  Top Layer w0.254: v1@164.566,48.466 164.608,48.466 164.858,48.216 U1.35@166.346,48.216 ; v1(180.166,29.666) U3.12@180.166,31.261
  Layer 1 w0.254: v1(164.366,48.666) 180.166,32.866 v1(180.166,29.666)
NetU1_37: U1.37 U3.23 | length 47.4
  Top Layer w0.254: U1.37@164.916,50.146 164.916,49.779 164.929,49.766 v1(167.866,49.766) ; v1@187.266,15.466 187.463,15.269 187.463,14.084 U3.23@187.786,13.761
  Layer 1 w0.254: v1(167.866,49.766) 167.866,46.967 181.474,33.36 181.474,28.374 186.216,23.632 186.216,16.416 v1(187.066,15.566)
NetU2_33: U2.33 U4.20 | length 35.3
  Top Layer w0.254: v1(163.266,63.566) 163.466,63.366 U2.33@165.366,63.366 ; v1@183.566,52.166 v1(183.653,52.079) 183.653,50.284 U4.20@183.976,49.961
  Bottom Layer w0.254: v1(163.266,63.566) 175.324,63.566 186.143,52.747 186.143,52.186 185.747,51.789 184.905,51.789 184.615,52.079 v1(183.653,52.079)
NetU2_34: U2.34 U4.11 | length 22.3
  Top Layer w0.254: v1(163.466,64.666) 164.266,63.866 U2.34@165.366,63.866 ; v1@177.266,65.366 v1(177.366,65.266) 180.666,65.266 181.436,66.036 U4.11@181.436,67.461
  Bottom Layer w0.254: v1(163.466,64.666) 164.066,65.266 v1(177.366,65.266)
NetU2_35: U2.35 U4.12 | length 18.2
  Top Layer w0.254: U2.35@165.366,64.366 165.379,64.379 166.262,64.379 166.473,64.591 166.473,65.559 v1(165.966,66.066) ; v1(175.966,66.366) 176.166,66.166 179.466,66.166 179.843,66.543 179.843,67.138 U4.12@180.166,67.461
  Bottom Layer w0.254: v1(165.966,66.066) 166.087,66.066 166.387,66.366 v1(175.966,66.366)
NetU2_37: U2.37 U4.23 | length 36.2
  Top Layer w0.254: U2.37@163.936,66.296 163.936,66.553 163.949,66.566 v1(164.566,66.566) ; v1(186.766,53.166) 187.786,52.146 U4.23@187.786,49.961
  Bottom Layer w0.254: v1(164.566,66.566) 165.166,67.166 170.966,67.166 172.166,68.366 175.666,68.366 181.174,62.859 181.174,58.759 v1(186.766,53.166)
SCL1: IC8.2 R85.2 U4.5 | length 39.2
  Top Layer w0.254: IC8.2@160.354,76.601 160.792,76.601 161.027,76.366 161.066,76.366 162.166,75.266 162.166,73.766 166.416,69.516 ; v1(166.966,69.866) 166.846,69.866 166.496,69.516 166.416,69.516 ; U4.5@189.056,67.461 189.056,64.256 188.266,63.466 177.266,63.466 171.216,69.516 166.416,69.516
SCL2: IC2.2 R9.2 U3.5 | length 35.3
  Top Layer w0.254: IC2.2@168.754,30.101 169.931,30.101 v1(170.766,29.266) ; v1(188.066,28.466) 189.056,29.456 U3.5@189.056,31.261
  Bottom Layer w0.254: R9.2@169.266,33.716 169.266,30.766 v1(170.766,29.266) 172.766,27.266 190.166,27.266 190.466,27.566 190.466,28.918 190.317,29.066 188.666,29.066 v1(188.066,28.466)
SDA1: IC8.1 R84.2 U4.4 | length 44.4
  Top Layer w0.254: IC8.1@160.354,77.871 160.792,77.871 162.928,75.735 162.928,74.505 164.866,72.566 168.866,72.566 v1(170.466,70.966) ; v1(170.666,68.066) 170.72,68.066 175.774,63.012 188.512,63.012 190.326,64.826 U4.4@190.326,67.461
  Bottom Layer w0.254: R84.2@168.966,69.916 169.066,69.916 170.581,68.402 170.581,68.152 v1(170.666,68.066) 170.666,70.646 170.466,70.846 v1(170.466,70.966)
SDA2: IC2.1 R8.2 U3.4 | length 29
  Top Layer w0.254: IC2.1@168.754,31.371 170.361,31.371 v1(171.166,30.566) ; v1(189.366,28.066) 190.326,29.026 U3.4@190.326,31.261
  Bottom Layer w0.254: R8.2@171.266,33.716 171.166,33.616 v1(171.166,30.566) 173.943,27.789 188.377,27.789 188.635,28.048 189.347,28.048 v1(189.366,28.066)
VUSB: D1.A D3.1 D4.1 D5.1 D6.1 IC4.4 IC5.4 IC6.4 IC7.4 K1.1 K2.1 K3.1 K4.1 U5.2 U5.4 W1.1 W2.1 | length 388.5
  Top Layer w0.254: IC5.4@81.475,66.98 81.8,66.98 82.69,66.09 v2(82.69,66.07) ; v1(188.766,42.966) W1.1@190.526,42.966
  Top Layer w0.454: D3.1@61.466,76.366 61.466,80.616 K1.1@61.516,80.666 ; D3.1@61.666,76.366 65.528,72.505 IC6.4@68.825,72.505 ; v2(69.15,65.33) IC7.4@69.15,66.78 67.4,66.78 66.49,67.69 66.49,69.845 68.327,71.682 68.327,72.007 IC6.4@68.825,72.505 ; IC6.4@69.15,72.505 IC6.4@68.825,72.505 ; K2.1@90.816,78.741 92.366,78.741 94.066,77.041 D4.1@94.266,77.041 ; v2(116.88,77.08) 116.694,77.266 D5.1@114.466,77.266 115.066,77.866 K3.1@115.066,81.016 120.416,81.016 124.466,76.966 D6.1@124.666,76.966 124.666,80.616 K4.1@125.416,81.366
  Layer 2 w0.454: U5.4@56.97,79.49 55.642,78.162 53.252,78.162 51.93,76.84 51.93,31.77 50.587,30.427 50.587,16.633 54.8,12.42 108.81,12.42 v1(114.514,6.716) 122.889,15.091 152.331,15.091 180.206,42.966 v1(188.766,42.966) 193.743,47.943 193.743,66.863 197.266,70.386 197.266,77.866 195.166,79.966 v1(191.066,79.966) ; v2(69.15,65.33) 69.89,66.07 v2(82.69,66.07) 82.69,66.11 82.54,66.26 v2(82.54,71.65) 83.725,71.65 K2.1@90.816,78.741 92.478,77.08 v2(116.88,77.08)
  Bottom Layer w0.5: U5.4@56.97,79.49 56.97,82.03 60.153,82.03 K1.1@61.516,80.666
pads on no net: *.25 *.26 *.27 *.28 *.29 *.30 *.31 *.32 *.44 *.45 *.46 *.47 B1.7 B1.8 B1.9 B1.10 B1.15 B1.16 B1.19 B1.22 B1.23 B1.25 B1.26 B1.28 B1.29 B1.30 B1.31 B1.35 B1.36 B1.38 B1.39 B1.47 B1.50 B1.51 B1.52 B1.55 B1.56 B1.65 B1.66 B1.71 B1.97 B1.98 B1.100 B1.101 B1.109 B1.110 B1.112 B1.113 B1.123 B1.124 B1.126 B1.127 C5.1 C8.1 IC3.5 J1. J1.A5 J1.A8 J1.B5 J1.B8 J2. J2.A5 J2.A8 J2.B5 J2.B8 J7.4 J7.5 J7.12 J7.13 J8.4 J8.5 J8.12 J8.13 J12. J12.P9 J13. J13.P9 LED10.1 R61.1 S3.1 U1.7 U1.12 U1.13 U1.18 U1.23 U1.24 U1.25 U1.26 U1.27 U1.36 U1.38 U1.39 U1.40 U1.41 U1.42 U1.46 U1.47 U2.7 U2.12 U2.13 U2.18 U2.23 U2.24 U2.25 U2.26 U2.27 U2.36 U2.38 U2.39 U2.40 U2.41 U2.42 U2.46 U2.47 U3.10 U3.17 U3.18 U3.19 U3.22 U4.22 U5.7 U5.15 U5.16 U5.18 U5.22 U5.24 U5.27 U5.28

## Polygon pours and split planes (outlines as drawn)
GND on Bottom Layer "GND_L04_P001" (solid, pour order 1): -0.082,101.882 200.132,101.629 201.572,99.529 201.373,4.027 201.03,3.512 -0.082,3.525
GND on Layer 1 "GND_L02_P002" (solid, pour order 2): 0.031,101.59 200.007,101.825 201.766,100.066 201.766,4.141 201.15,3.525 -0.077,3.525
+3V3 on Layer 2 "+3V3_L03_P003" (solid, pour order 3): 0.01,100.455 0.024,101.518 200.569,101.481 201.607,100.443 201.607,4.777 200.572,3.742 0.01,3.742 0.01,11.284 0.025,12.567 0.025,14.317 0.084,17.617 0.01,20.836
GND on Top Layer "GND_L01_P000" (solid, pour order 0): 200.136,101.824 201.566,100.394 201.566,11.666 201.466,11.666 201.466,11.366 201.366,11.266 201.366,10.966 201.527,4.926 200.823,3.745 197.216,3.525 60.725,3.525 -0.074,3.525 -0.075,101.632 60.15,101.3 60.725,101.249 81.339,101.824

## Keep-outs
Keep-Out Layer:
  lines w0.1: -0.077,5.653 ccw(c2.295,5.91) 2.295,3.525 199.95,3.516 ; -0.075,5.65 -0.075,8.924 -0.082,8.932 -0.078,43.882 -0.076,61.07 -0.076,76.675 -0.076,77.75 -0.076,84.5 -0.076,85.099 -0.075,85.1 ; -0.075,85.098 -0.075,85.675 -0.075,86.375 -0.075,93.95 -0.075,99.475 cw(c2.213,99.598) 1.962,101.875 ; 1.925,101.88 199.673,101.825 ; 199.676,101.824 cw(c199.395,99.617) 201.607,99.856 201.607,5.357 cw(c199.759,5.356) 199.958,3.52

## Other copper
Multi-Layer:
  pour cut-out: 59.841,100.075 59.841,99.441 59.841,84.816 68.31,84.816 68.31,78.275 85.841,78.275 85.841,84.816 93.091,84.816 93.091,81.866 109.25,81.866 109.25,87.341 135.525,87.341 135.525,101.824 59.841,101.824 59.841,100.3

## Silkscreen, mask and mechanical layers (free items; w line width, h text height)
Top Overlay:
  drawing of 14 lines, arcs and shapes, not listed

## Text inside footprints (layer, text, board x,y; h text height)
J1: Mechanical 13 "PCB EDGE" at 201.366,45.666 h0.61 r90
J2: Mechanical 13 "PCB EDGE" at 201.366,82.766 h0.61 r90